# KiCad board skibidi-uwu-pad.kicad_pcb
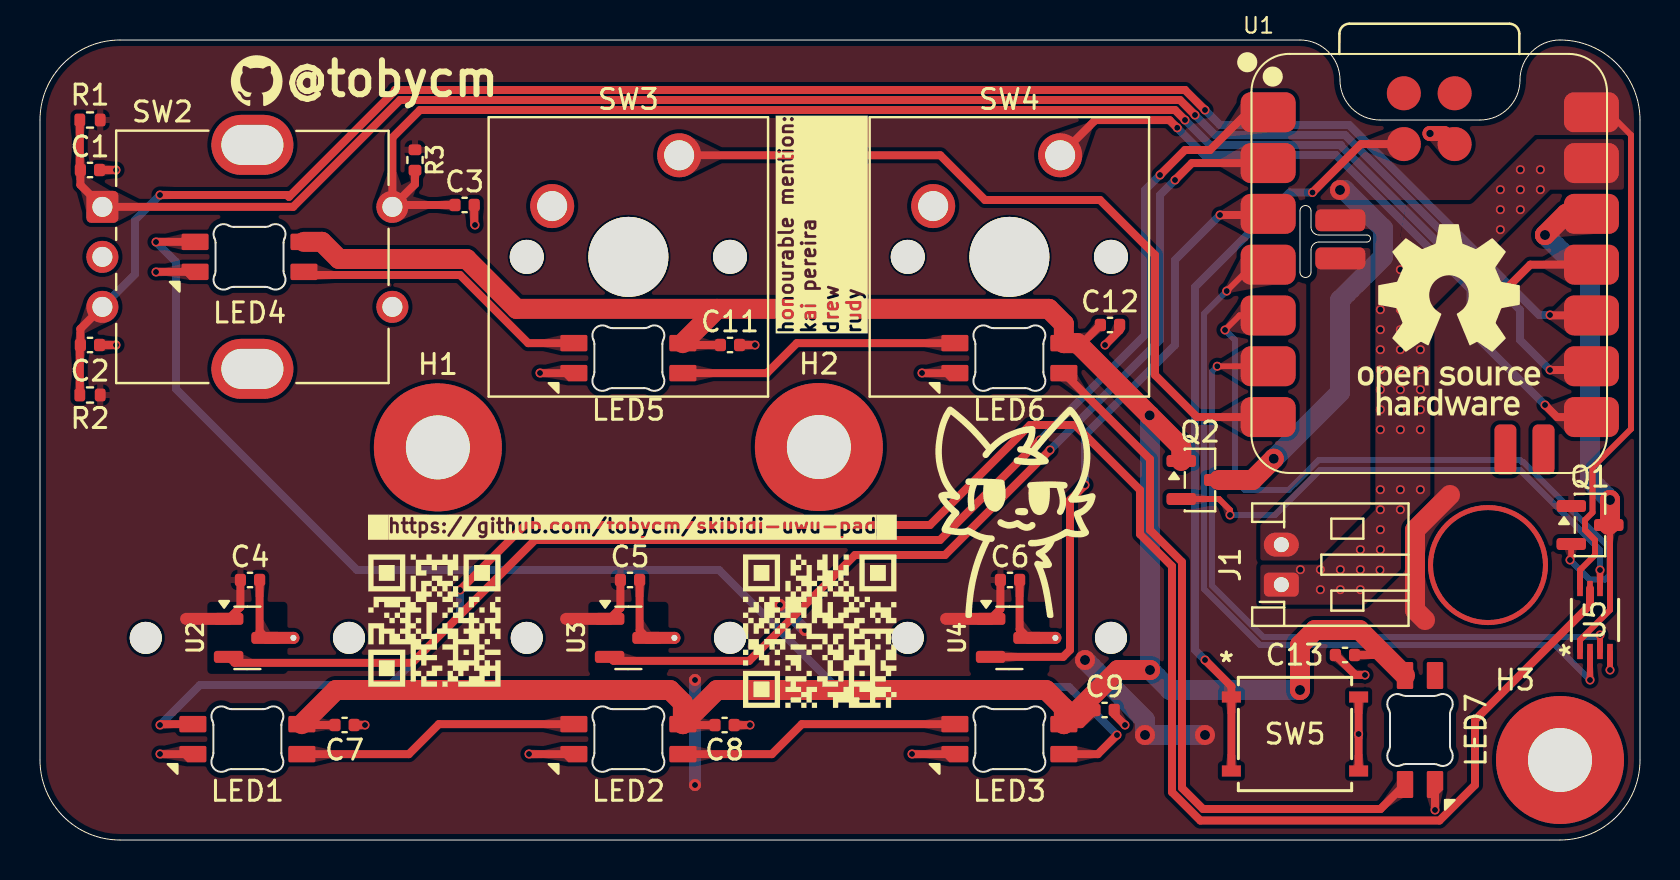
[diagram p0: board, top side]
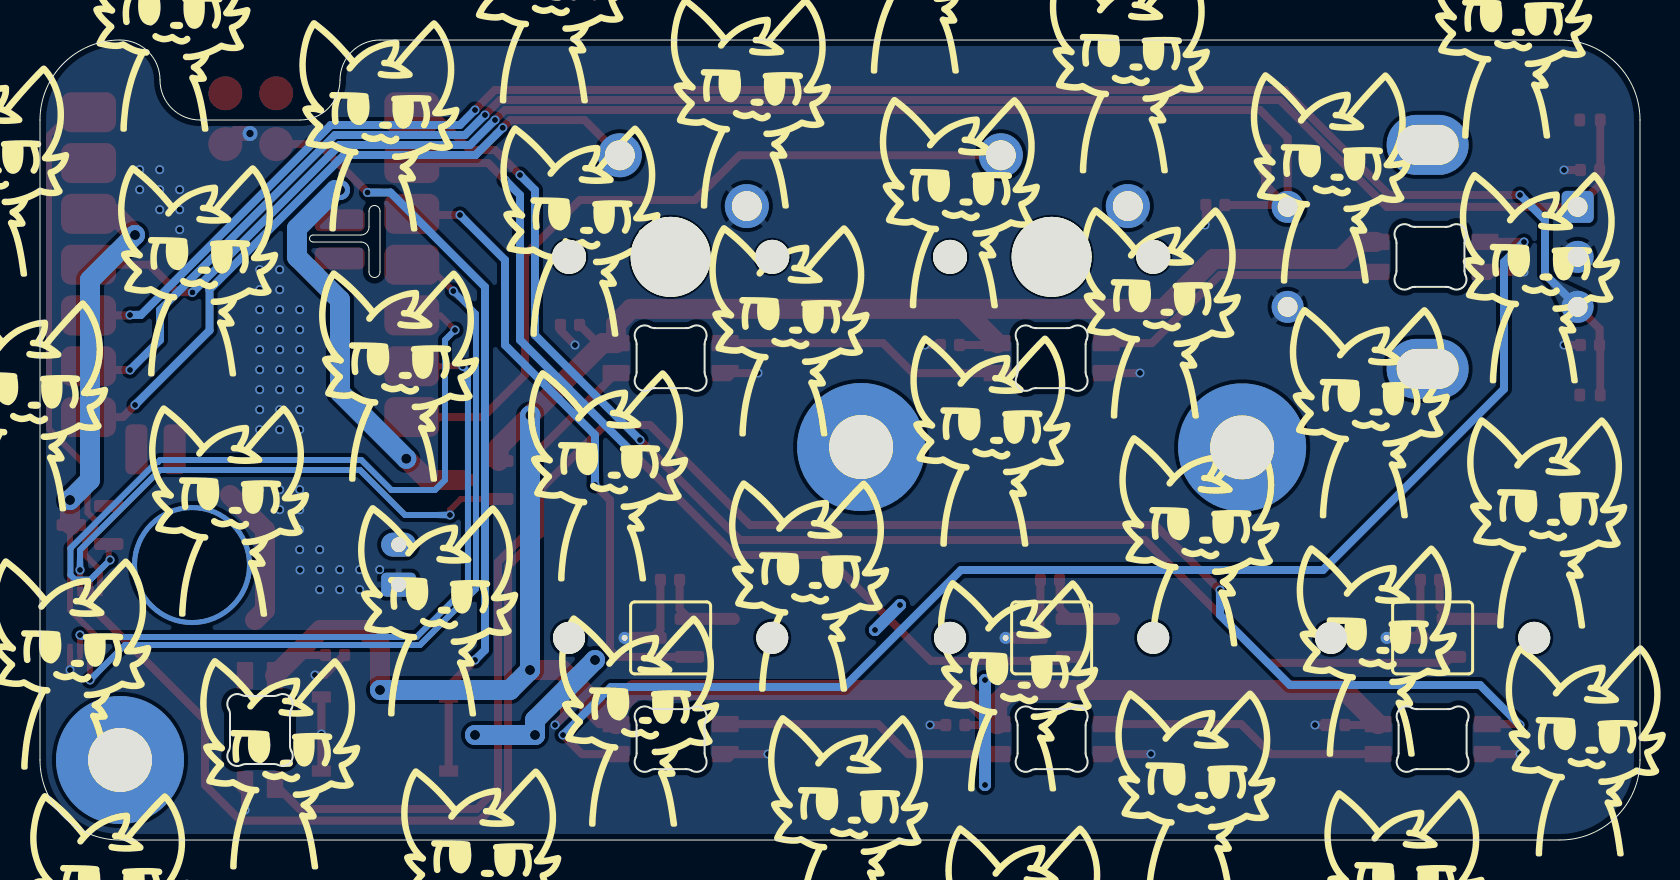
[diagram p1: board, bottom side, seen from below]

Outline 80 x 40 mm; copper layers: Top, Bottom. Coordinates in mm from the lower left corner of the outline.
Outline path: 0,36 arc(1.17,38.83) 4,40 63,40 arc(64.41,39.41) 65,38 arc(65.59,36.59) 67,36 72,36 arc(73.41,36.59) 74,38 arc(74.59,39.41) 76,40 arc(78.83,38.83) 80,36 80,4 arc(78.83,1.17) 76,0 4,0 arc(1.17,1.17) 0,4 0,36 ; 63,31.45 arc(63.28,31.72) 63.55,31.45 63.55,30.65 arc(63.67,30.37) 63.95,30.25 66.35,30.25 arc(66.53,30.08) 66.35,29.9 63.95,29.9 arc(63.67,29.78) 63.55,29.5 63.55,28.4 arc(63.28,28.12) 63,28.4 63,31.45
Stack: Top 0.035mm / dielectric 1.51mm FR4 er 4.5 / Bottom 0.035mm

## Placement (name value [footprint] x y rotation side)
C1  100n  [C_0402_1005Metric]  2.5 33.5 0 top
C2  100n  [C_0402_1005Metric]  2.5 24.75 0 top
C3  100n  [C_0402_1005Metric]  21.23 31.75 0 top
C4  100n  [C_0402_1005Metric]  10.5 13 0 top
C5  100n  [C_0402_1005Metric]  29.5 13 0 top
C6  100n  [C_0402_1005Metric]  48.5 13 0 top
C7  100n  [C_0402_1005Metric]  15.23 5.75 0 top
C8  100n  [C_0402_1005Metric]  34.23 5.75 0 top
C9  100n  [C_0402_1005Metric]  53.23 6.5 0 top
C11  100n  [C_0402_1005Metric]  34.5 24.75 0 top
C12  100n  [C_0402_1005Metric]  53.5 25.75 0 top
C13  100n  [C_0402_1005Metric]  65.25 9.25 180 top
H1  MountingHole  [MountingHole_3.2mm_M3_Pad]  19.89 19.63 0 top
H2  MountingHole  [MountingHole_3.2mm_M3_Pad]  38.94 19.65 0 top
H3  MountingHole  [MountingHole_3.2mm_M3_Pad]  76 4 0 top
J1  Conn_01x02_Socket  [JST_PH_S2B-PH-K_1x02_P2.00mm_Horizontal]  62.07 12.77 90 top
LED1  MX_SK6812MINI-E  [LED_MX_6028R]  10.37 5.04 0 top
LED2  MX_SK6812MINI-E  [LED_MX_6028R]  29.42 5.04 0 top
LED3  MX_SK6812MINI-E  [LED_MX_6028R]  48.47 5.04 0 top
LED4  SK6812MINI-E  [LED_6028R]  10.48 29.16 0 top
LED5  MX_SK6812MINI-E  [LED_MX_6028R]  29.42 24.09 0 top
LED6  MX_SK6812MINI-E  [LED_MX_6028R]  48.47 24.09 0 top
LED7  SK6812MINI-E  [LED_6028R]  69 5.5 90 top
Q1  PMOS  [SOT-23]  77.5 15.75 0 top
Q2  PMOS  [SOT-23]  58 18 0 top
R1  10k  [R_0402_1005Metric]  2.5 36 180 top
R2  10k  [R_0402_1005Metric]  2.5 22.25 180 top
R3  10k  [R_0402_1005Metric]  18.75 34 270 top
SW2  RotaryEncoder_Switch  [RotaryEncoder_Bourns_Vertical_PEC12R-3x17F-Sxxxx]  3.12 31.66 0 top
SW3  SW_Push  [SW_Cherry_MX_1.00u_PCB]  31.96 34.24 0 top
SW4  SW_Push  [SW_Cherry_MX_1.00u_PCB]  51.01 34.24 0 top
SW5  PTS526 SM15 SMTR2 LFS  [SON4_PTS526 SM15 SMTR2 LFS_CNK]  62.75 5.3 0 top
U1  -  [XIAO-nRF52840-SMD]  69.52 28.77 0 top
U2  AH49FNTR-G1  [SW_MX_HE_0deg_1u]  10.37 10.11 0 top
U3  AH49FNTR-G1  [SW_MX_HE_0deg_1u]  29.42 10.11 0 top
U4  AH49FNTR-G1  [SW_MX_HE_0deg_1u]  48.47 10.11 0 top
U5  74AXP2T45DCH  [VSSOP8_SOT765-1_NEX]  77.75 11 90 top

## Library data of the parts
C1-C9 C11-C13 = -: Description: Unpolarized capacitor; ki_fp_filters: C_*
H1-H3 = -: Description: Mounting Hole without connection; ki_fp_filters: MountingHole*
J1 = -: Description: Generic connector, single row, 01x02, script generated; ki_fp_filters: Connector*:*_1x??_*
LED1-LED7 = -: Description: Reverse mount adressable LED (WS2812 protocol)
Q1 Q2 = -: Datasheet: https://ngspice.sourceforge.io/docs/ngspice-html-manual/manual.xhtml#cha_MOSFETs; Description: P-MOSFET transistor, drain/source/gate; Sim.Type: VDMOS; Sim.Pins: 1=D 2=G 3=S
R1-R3 = -: Description: Resistor; ki_fp_filters: R_*
SW2 = -: Description: Rotary encoder, dual channel, incremental quadrate outputs, with switch; ki_fp_filters: RotaryEncoder*Switch*
SW3 SW4 = -: Description: Push button switch, generic, two pins
SW5 = -: ki_fp_filters: SON4_PTS526 SM15 SMTR2 LFS_CNK SON4_PTS526 SM15 SMTR2 LFS_CNK-M SON4_PTS526 SM15 SMTR2 LFS_CNK-L
U2-U4 = -: ki_fp_filters: SC59_DIO SC59_DIO-M SC59_DIO-L
U5 = -: ki_fp_filters: VSSOP8_SOT765-1_NEX VSSOP8_SOT765-1_NEX-M VSSOP8_SOT765-1_NEX-L

## Footprints (pads in the part's own frame, mm; a bottom-side part is the same pattern mirrored in y, then rotated)
C_0402_1005Metric
  rrect 0.56x0.62 smd: 1(-0.48,0) 2(0.48,0)
JST_PH_S2B-PH-K_1x02_P2.00mm_Horizontal
  rrect 1.2x1.75 hole 0.75: 1(0,0)
  oval 1.2x1.75 hole 0.75: 2(2,0)
LED_6028R
  rrect 1.35x0.82 smd: 1(2.725,0.75) 2(2.725,-0.75) 3(-2.725,0.75) 4(-2.725,-0.75)
LED_MX_6028R
  rrect 1.35x0.82 smd: 1(2.725,0.75) 2(2.725,-0.75) 3(-2.725,0.75) 4(-2.725,-0.75)
MountingHole_3.2mm_M3_Pad
  round 6.4 hole 3.2: 1(0,0)
R_0402_1005Metric
  rrect 0.54x0.64 smd: 1(-0.51,0) 2(0.51,0)
RotaryEncoder_Bourns_Vertical_PEC12R-3x17F-Sxxxx
  rrect 1.6x1.6 hole 1: A(0,0)
  round 1.6 hole 1: B(0,-5) C(0,-2.5) S1(14.5,0) S2(14.5,-5)
  oval 4.1x3 hole 3.1x2: SH(7.5,3.1) SH(7.5,-8.1)
SON4_PTS526 SM15 SMTR2 LFS_CNK
  rect 0.951x0.559 smd: 1(-3.18,1.85) 2(-3.18,-1.85) 3(3.18,-1.85) 4(3.18,1.85)
SOT-23
  rrect 1.475x0.6 smd: 1(-0.938,0.95) 2(-0.938,-0.95) 3(0.938,0)
SW_Cherry_MX_1.00u_PCB
  round 1.7 hole 1.7 unplated: (-7.62,-5.08) (2.54,-5.08)
  round 4 hole 4 unplated: (-2.54,-5.08)
  round 2.2 hole 1.5: 1(0,0) 2(-6.35,-2.54)
SW_MX_HE_0deg_1u
  round 1.6 hole 1.7 unplated: (-5.08,0) (5.08,0)
  rrect 1.475x0.6 smd: 1(-0.938,0.95) 2(-0.938,-0.95) 3(0.938,0)
  round 0.6 hole 0.3: 3(2.3,0)
VSSOP8_SOT765-1_NEX
  rect 0.762x0.279 smd: 1(-1.575,0.75) 2(-1.575,0.25) 3(-1.575,-0.25) 4(-1.575,-0.75) 5(1.575,-0.75) 6(1.575,-0.25) 7(1.575,0.25) 8(1.575,0.75)
XIAO-nRF52840-SMD
  rrect 2.75x2 smd: 1(-8.11,7.62) 2(-8.11,5.08) 3(-8.11,2.54) 4(-8.11,0) 5(-8.11,-2.54) 6(-8.11,-5.08) 7(-8.11,-7.62) 8(8.055,-7.62) 9(8.055,-5.08) 10(8.055,-2.54) 11(8.055,0) 12(8.055,2.54) 13(8.055,5.08) 14(8.055,7.62)
  rrect 2.5x1.1 smd: 15(-4.5,0.314) 16(-4.5,2.219)
  rrect 1.1x2.5 smd: 17(3.755,-9.237) 18(5.66,-9.237)
  round 1.7 smd: 19(-1.325,8.569) 20(1.215,8.569) 21(-1.325,6.029) 22(1.215,6.029)

## Nets
+3.3V: C4.1 C5.1 C6.1 Q1.1 R1.1 R2.1 R3.1 U2.1 U3.1 U4.1
+3.3V SRC: Q1.3 U1.12 U5.1 U5.5
+5V: C7.1 C8.1 C9.1 C11.1 C12.1 C13.1 LED1.1 LED2.1 LED3.1 LED4.1 LED5.1 LED6.1 LED7.1 Q2.1
+5V SRC: Q2.3 U1.14 U5.8
GND: C1.2 C2.2 C3.2 C4.2 C5.2 C6.2 C7.2 C8.2 C9.2 C11.2 C12.2 C13.2 J1.1 LED1.4 LED2.4 LED3.4 LED4.4 LED5.4 LED6.4 LED7.4 SW2.C SW2.S2 SW3.2 SW4.2 SW5.3 SW5.4 U1.13 U1.16 U1.22 U2.3 U3.3 U4.3 U5.4
/A0: U1.1 U2.2
/A1: U1.2 U3.2
/A2: U1.3 U4.2
/A3: U1.4 U5.2
/A4: Q1.2 U1.5
/A5: U1.6 U5.3
/D6: SW3.1 U1.7
/D7: SW4.1 U1.8
/D8: C1.1 R1.2 SW2.A U1.9
/D9: C2.1 R2.2 SW2.B U1.10
/D10: C3.1 R3.2 SW2.S1 U1.11
/LA3: LED1.3 U5.7
/LA5: Q2.2 U5.6
/RESET: SW5.1 SW5.2 U1.21
Net-(J1-Pin_2): J1.2 U1.15
Net-(LED1-DOUT): LED1.2 LED2.3
Net-(LED2-DOUT): LED2.2 LED3.3
Net-(LED3-DOUT): LED3.2 LED4.3
Net-(LED4-DOUT): LED4.2 LED5.3
Net-(LED5-DOUT): LED5.2 LED6.3
Net-(LED6-DOUT): LED6.2 LED7.3
Net-(LED7-DOUT): LED7.2

Pads without a net: H1 1; H2 1; H3 1; SW2 SH; U1 17 18 19 20

## Via types
v1: diameter 6, hole 5.5, Top to Bottom, 1 via
v2: diameter 0.45, hole 0.3, Top to Bottom, 96 vias
v3: diameter 0.75, hole 0.375, Top to Bottom, 1 via
v4: diameter 1, hole 0.5, Top to Bottom, 10 vias
v5: diameter 0.6, hole 0.3, Top to Bottom, 4 vias

## Routing (per net, layer and track width the routed paths; a pad name or vN(x,y) marks a point on that pad's centre or on a via; arc(x,y) is an arc through that point)
+3.3V: length 35.2
  Top w0.4: U3.1 29.02,11.59 C5.1 ; U2.1 10.02,11.64 C4.1 ; U4.1 48.02,11.55 C6.1
  Top w0.6: U4.1 45.31,11.06 ; U2.1 7.31,11.06 ; U3.1 26.31,11.06
  Top w1: 70.5,17.25 68.75,15.5 68.75,11.5 69.25,11
  Bottom w0.6: v5(38.25,10.5) v5(37,11.75) ; v5(32.75,8) v5(32.75,2.75)
  Bottom w1: v4(52.25,9) 55.25,6 v4(55.25,5.25) v4(58.25,5.25)
+3.3V SRC: length 25.5
  Top w0.3: 78.5,15.69 U5.5 78.5,11.5 77,10 U5.1
  Top w1: v4(78.5,17) 78.5,15.81 Q1.3 ; v4(75.25,30.25) 76.31,31.31 U1.12
  Bottom w1: v4(78.5,17) 77.5,18 77.5,28 v4(75.25,30.25)
+5V: length 140.6
  Top w0.4: C12.1 52.11,24.84 LED6.1 ; C7.1 13.14,5.75 ; C13.1 67.22,9.25 LED7.1 ; C9.1 52.04,5.79 LED3.1 ; C11.1 32.24,24.75 ; C8.1 32.19,5.75
  Top w1: LED4.1 14.09,29.91 14.95,29.05 21.33,29.05 23.83,26.56 50.44,26.56 51.19,25.81 LED6.1 51.87,24.84 57.06,19.65 Q2.1 ; v4(55.5,8.5) 53.9,8.5 LED3.1 51.19,6.61 50.3,7.5 33.85,7.5 LED2.1 32.14,6.86 31.5,7.5 14.8,7.5 LED1.1 ; LED7.1 65.97,10.5 63.75,10.5 63,9.75 v4(63,7.5) ; 33.86,26.56 LED5.1
  Bottom w1: v4(63,7.5) 56.5,7.5 v4(55.5,8.5) 55.5,21.21 v4(55.48,21.23)
+5V SRC: length 45.7
  Top w0.3: 78.41,36.39 79.55,35.25 79.55,20.55 77.62,18.62 77.62,16.38 77.25,16 77.25,15.5 77.75,15 77.75,14.25 77,13.5 U5.8
  Top w1: v4(61.69,19.06) 60.62,18 Q2.3
  Bottom w1: v4(65,32.5) 65.23,32.5 67.15,30.58 67.15,29.15 65,27 65,22.38 v4(61.69,19.06)
GND: length 41.2
  Top w0.3: U5.4 v2(78.5,8.5)
  Top w0.4: v2(21.75,30.75) 21.71,30.79 C3.2 ; C13.2 65.77,8.25 v2(66.25,8.25) ; C6.2 48.98,10.53 U4.3 ; LED2.4 24.46,4.29 v2(24.45,4.3) ; C5.2 29.98,10.48 U3.3 ; C12.2 53.98,25.48 v2(53.25,24.75) ; LED7.4 v2(69.75,1.5) ; C11.2 v2(35.75,24.75) ; v2(54.25,5.75) 53.71,6.29 C9.2 ; C1.2 v2(3.8,33.5) ; v2(35.5,5.75) 35.5,5.75 C8.2 ; C4.2 10.98,10.43 U2.3 ; v2(43.6,4.3) 43.61,4.29 LED3.4 ; LED6.4 44.11,23.34 v2(44.1,23.35) ; LED4.4 5.81,28.41 v2(5.8,28.4) ; LED5.4 25.01,23.34 v2(25,23.35) ; C7.2 v2(16.25,5.75) ; LED1.4 6.01,4.29 v2(6,4.3) ; SW5.4 SW5.3 65.93,3.75 ; C2.2 v2(3.8,24.75)
  Top w0.6: U3.3 U3.3 ; U2.3 U2.3 ; U4.3 U4.3
  Top w0.75: v3(69.5,35.33) 70.2,35.33 U1.22
  vias: v2(63.02,13.52) v2(64.02,13.52) v2(64.02,12.52) v2(65.02,13.52) v2(65.02,12.52) v2(65.93,5.3) v2(66.02,14.52) v2(66.02,13.52) v2(66.02,12.52) v2(67.02,26.52) v2(67.02,25.52) v2(67.02,24.52) v2(67.02,23.52) v2(67.02,22.52) v2(67.02,21.52) v2(67.02,20.52) v2(67.02,17.52) v2(67.02,16.52) v2(67.02,15.52) v2(67.02,14.52) v2(67,13.5) v2(68.02,28.52) v2(68.02,27.52) v2(68.02,26.52) v2(68.02,25.52) v2(68.02,24.52) v2(68.02,23.52) v2(68.02,22.52) v2(68.02,21.52) v2(68.02,20.52) v2(68.02,17.52) v2(68.02,16.52) v2(69.02,28.52) v2(69.02,27.52) v2(69.02,26.52) v2(69.02,25.52) v2(69.02,24.52) v2(69.02,23.52) v2(69.02,22.52) v2(69.02,21.52) v2(69.02,20.52) v2(69.02,17.52) v2(73.02,32.52) v2(73.02,31.52) v2(73.02,30.52) v2(74.02,33.52) v2(74.02,32.52) v2(74.02,31.52) v2(75.02,33.52) v2(75.02,32.52)
(no net):
  vias: v1(72.4,13.75)
/A0: length 66.7
  Top w0.4: v2(50,20) 45,15 24.75,15 18.61,8.86 9.73,8.86 U2.2 ; 60.39,36.39 58.5,34.5 57.25,34.5 v2(56,33.25)
  Bottom w0.4: v2(56,33.25) 55.25,32.5 55.25,25.25 v2(50,20)
/A1: length 47.6
  Top w0.4: v2(50.5,19.5) 45.25,14.25 40.75,14.25 35.46,8.96 28.68,8.96 U3.2 ; U1.2 57.6,33.85 v2(56.75,33)
  Bottom w0.4: v2(56.75,33) 56,32.25 56,25 v2(50.5,19.5)
/A2: length 31.3
  Top w0.4: v2(52.25,17.75) 51.5,17 51.5,9.5 51.16,9.16 U4.2 ; v2(59,31.25) 61.35,31.25
  Bottom w0.4: v2(59,31.25) 56.75,29 56.75,24.75 52.25,20.25 v2(52.25,17.75)
/A3: length 39.8
  Top w0.3: v2(77.5,8) U5.2 ; 60.65,28.77 v2(59.34,27.45)
  Bottom w0.3: v2(59.34,27.45) 58.2,26.31 58.2,12.55 61,9.75 75.75,9.75 v2(77.5,8)
/A4: length 36.2
  Top w0.3: v2(76.5,14) 76.56,14.06 Q1.2 ; U1.5 59.98,26.23 v2(59.25,25.5)
  Bottom w0.3: v2(59.25,25.5) 59.75,25 59.75,18 60.25,17.5 62.43,17.5 63.93,19 74,19 74.1,18.9 74.17,18.9 78.48,14.59 78.48,13.25 78.25,13.02 77.48,13.02 v2(76.5,14)
/A5: length 34.9
  Top w0.3: U1.6 v2(58.86,23.69) ; v2(78,10.25) U5.3
  Bottom w0.3: v2(78,10.25) 77.9,10.15 61.17,10.15 58.6,12.72 58.6,23.43 v2(58.86,23.69)
/D6: length 38.4
  Top w0.4: SW3.1 45.01,34.24 47.25,32 53,32 55.75,29.25 55.75,23.25 57.85,21.15 U1.7
/D7: length 34.6
  Top w0.4: v2(75.25,21.75) 75.85,21.15 U1.8 ; v2(56.86,35.61) 56.47,36 52.77,36 SW4.1
  Bottom w0.4: v2(56.86,35.61) 58.22,34.25 64.8,34.25 71.52,27.52 71.52,25.48 v2(75.25,21.75)
/D8: length 87.7
  Top w0.4: R1.2 1.99,33.53 ; v2(75.5,23.5) 77.38,23.5 ; v2(57.75,36.25) 57,37 18,37 12.66,31.66 SW2.A 2.02,32.75 C1.1
  Bottom w0.4: v2(75.5,23.5) 74,25 74,26.5 65.25,35.25 58.75,35.25 v2(57.75,36.25)
/D9: length 90.1
  Top w0.4: C2.1 2.02,25.56 SW2.B ; U1.10 75.52,26.23 v2(75.5,26.25) ; v2(58.25,36.5) 57.25,37.5 17.75,37.5 17.75,37.46 12.45,32.16 12.36,32.25 v2(6,32.25) ; R2.2 1.99,24.72
  Bottom w0.4: v2(58.25,36.5) 59,35.75 65.46,35.75 74.96,26.25 v2(75.5,26.25) ; v2(6,32.25) 4.75,31 4.75,28.29 SW2.B
/D10: length 73.7
  Top w0.4: U1.11 74.52,28.77 73.13,27.38 v2(72.38,27.38) ; R3.2 18.75,32.79 SW2.S1 17.62,35.12 19,36.5 56.75,36.5 v2(57.25,36) ; C3.1 17.71,31.75
  Bottom w0.4: v2(72.38,27.38) 65.04,34.72 65.04,34.75 58.5,34.75 v2(57.25,36)
/LA3: length 103.4
  Top w0.4: v2(6,5.75) 6.04,5.79 LED1.3 ; v2(21,12.5) 24.25,15.75 44.5,15.75 49.5,20.75 51.75,20.75 55,17.5 55,15.29 56.6,13.69 56.6,2.39 58.02,0.97 69.97,0.97 71.75,2.75 71.75,6 77.5,11.75 U5.7
  Bottom w0.4: v2(6,5.75) 8,7.75 17.5,7.75 21,11.25 v2(21,12.5)
/LA5: length 25.9
  Top w0.3: Q2.2 58.95,17.05 59.5,16.5 v2(59.5,16.25) ; v2(78,13.5) U5.6
  Bottom w0.3: v2(59.5,16.25) 61.75,16.25 64,18.5 74,18.5 78,14.5 v2(78,13.5)
/RESET: length 38.4
  Top w0.4: v2(63.62,32.38) 66.05,34.8 U1.21 ; SW5.2 SW5.1 59.57,7.68 v2(58.25,9)
  Bottom w0.4: v2(63.62,32.38) 62.47,32.38 57.75,27.65 57.75,9.5 v2(58.25,9)
Net-(LED1-DOUT): length 14.2
  Top w0.4: LED2.3 19.94,5.79 18.44,4.29 LED1.2
Net-(LED2-DOUT): length 14.2
  Top w0.4: LED2.2 36.59,4.29 38.09,5.79 LED3.3
Net-(LED3-DOUT): length 67
  Top w0.4: LED4.3 5.81,29.91 v2(5.8,29.9) ; LED3.2 52.89,4.29 v2(53.85,5.25)
  Bottom w0.4: v2(5.8,29.9) 6.8,28.9 6.8,22.55 15.85,13.5 33.95,13.5 39.8,7.65 51.45,7.65 v2(53.85,5.25)
Net-(LED4-DOUT): length 14.7
  Top w0.4: 13.36,28.25 21,28.25 24.41,24.84 LED5.3
Net-(LED5-DOUT): length 14.2
  Top w0.4: LED6.3 37.84,24.84 36.34,23.34 LED5.2
Net-(LED6-DOUT): length 35.3
  Top w0.4: LED7.3 67.03,1.55 58.15,1.55 57.1,2.6 57.1,13.9 55.5,15.5 55.5,19.04 LED6.2

## Copper pours and planes (outline as drawn; the poured copper is in the pictures)
+3.3V on Top: -5,45 85,45 85,-5 -5,-5
+5V SRC on Top: 80,40 80,35.25 74.75,35.25 71.5,32 63.5,32 71.5,40
GND on Top: 79.22,35.12 79.22,32.52 75.52,32.52 69.5,26.5 68.02,30.22 68.32,31.82 71.52,31.82 74.82,35.12
GND on Top: 61.02,13.77 61.02,11.77 66.27,11.77 69.52,15.02 69.52,30.52 68.27,31.77 63.52,31.77 63.52,30.02 66.77,30.02 66.77,16.52 64.02,13.77
GND on Bottom: -5,45 85,45 85,-5 -5,-5
Net-(J1-Pin_2) on Top: 63.52,30.02 66.52,30.02 66.52,16.62 63.67,13.77 61.02,13.77 61.02,15.75 63.52,18.25

Small or netless copper shapes (teardrops, artwork), in the pictures only: 129 on Top, 26 on Bottom

## Text on the board
User.Drawings: battery / 104060
F.Mask: https://tobycm.dev / toby@vsus.app | skibidi uwu pad / made by tobycm / with <3
F.Silkscreen: https://github.com/tobycm/skibidi-uwu-pad | honourable mention: / kai pereira / drew / rudy | @tobycm
